# KiCad board M3DU_BoardV3_2.kicad_pcb (continued)
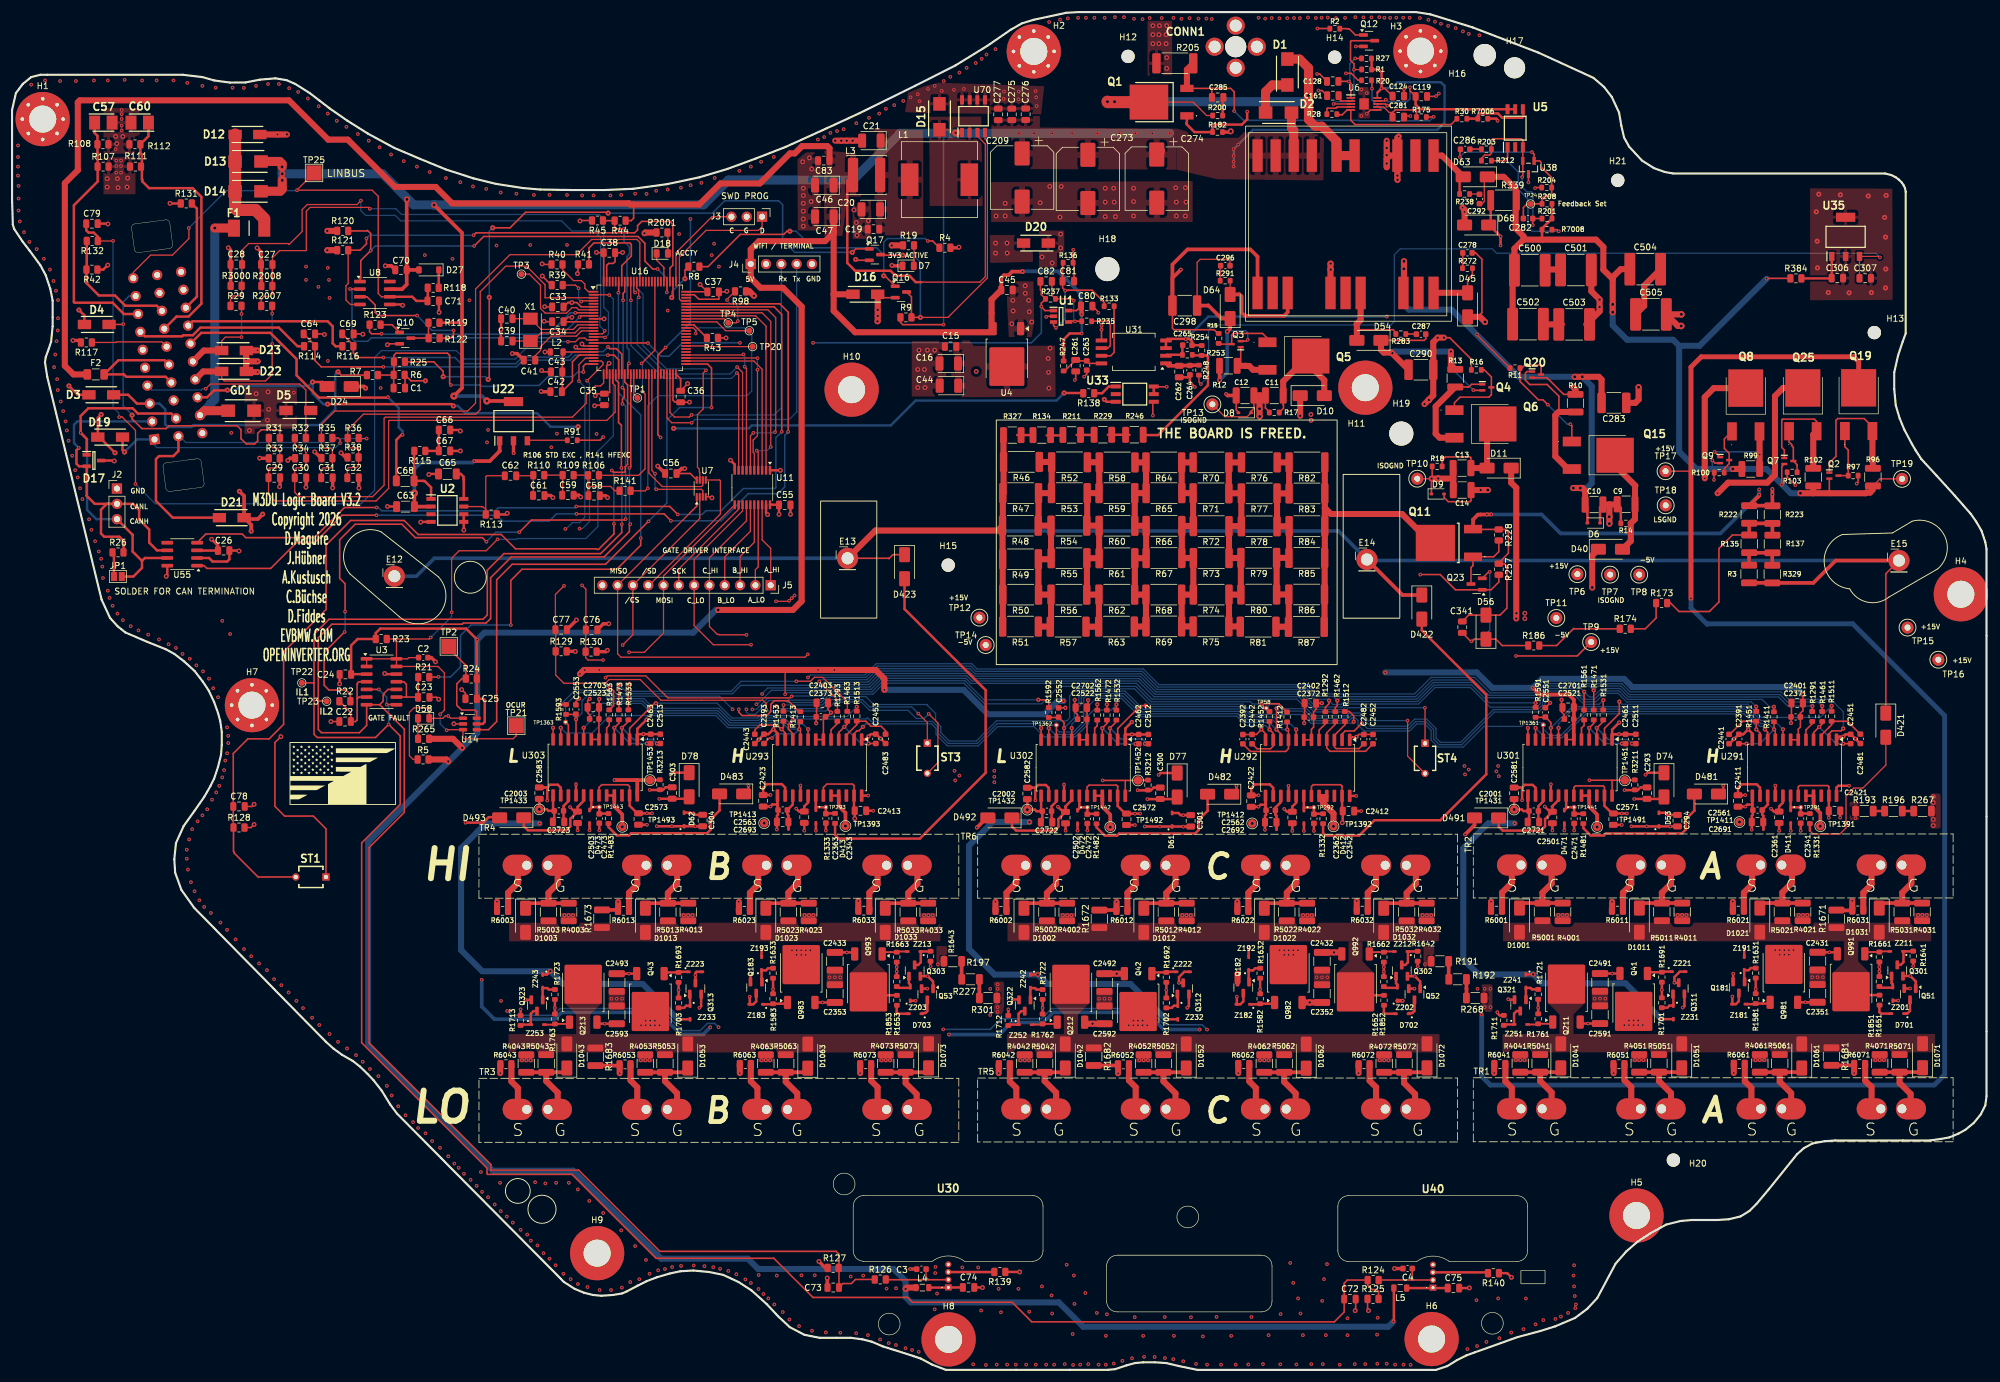
[diagram p0: board, top side]
## Routing (per net, layer and track width the routed paths; a pad name or vN(x,y) marks a point on that pad's centre or on a via; arc(x,y) is an arc through that point) (continued)
TMPM: length 151.9
  Top w0.2: v2(17.78,158.19) 17.8,158.21 18.25,158.21 20.48,155.98 v2(20.48,147.07) ; v2(92.23,170.7) 93.48,170.7 94.08,171.3 95.06,171.3 95.36,171 U16.17 ; v2(16.76,187.45) 16.73,187.42 R132.1
  Top w0.4: R132.1 14.22,188.13 13.56,188.8 12.71,188.8 12.31,189.2 12.31,190.3
  Bottom w0.2: v2(17.78,158.19) 17.71,158.26 17.71,158.85 16.78,159.77 16.78,160.17 16.76,160.2 v2(16.76,187.45) ; v2(20.48,147.07) 23.76,143.8 57.91,143.8 60.16,146.05 60.16,168.1 61.28,169.22 73.71,169.22 75.11,167.82 83.48,167.82 86.36,170.7 v2(92.23,170.7)
UDCIN: length 88.4
  Top w0.25: U16.18 105.48,170.5 v2(105.51,170.47) ; U1.1 171.38,175.87 170.78,176.47 v2(170.78,176.55) 170.78,177.11 R237.1 170.78,178.51 170.78,179.17 170.63,179.32 C82.1
  In1.Cu w0.25: v2(132.91,170.52) v2(120.76,170.52)
  Bottom w0.25: v2(132.91,170.52) 169.13,170.52 170.78,172.17 v2(170.78,176.55) ; v2(120.76,170.52) 111.23,170.52 109.01,168.3 107.68,168.3 v2(105.51,170.47)
USART_RX: length 49.7
  Top w0.2: U16.48 109.16,158.95 109.91,158.2 112.38,158.2 v2(112.73,158.55)
  Bottom w0.2: v2(112.73,158.55) 126.46,158.55 127.64,159.73 J4.3
USART_TX: length 54.5
  Top w0.2: v2(112.76,157.25) 109.46,157.25 108.66,158.05 U16.47
  Bottom w0.2: v2(112.76,157.25) 113.3,157.79 128.95,157.79 130.21,159.05 130.18,159.07 J4.4
UVLO_IN: length 7.9
  Top w0.2: R40.2 91.33,182.67 93.16,180.85 94.46,180.85 95.03,180.27 95.03,179.6 95.63,179 U16.1
Net-(C58-Pad1): length 11.2
  Top w0.2: R141.1 100.03,145.95 99.31,146.67 95.56,146.67 ; 95.56,146.67 95.56,145.21 ; 95.56,146.67 R106.1 ; R109.2 95.53,148.55
Net-(C59-Pad1): length 6.3
  Top w0.2: 91.36,145.3 R109.1 R110.2
Net-(C61-Pad1): length 6.1
  Top w0.2: C62.1 86.38,148.45 ; R110.1 86.48,145.21
Net-(C66-Pad1): length 5.7
  Top w0.4: C66.1 C67.1 R115.1
Net-(C278-Pad1): length 2.5
  Top w0.25: C278.1 240.71,182.95
Net-(C285-Pad1): length 2.9
  Top w0.4: R200.2 200.86,211.12
Net-(C286-Pad2): length 1.9
  Top w0.25: R203.1 241.91,202.67
Net-(C287-Pad1): length 1.7
  Top w0.25: R283.1 232.98,171.97
Net-(C292-Pad2): length 1.6
  Top w0.2: R238.2 243.43,195.22
Net-(C296-Pad1): length 2.4
  Top w0.2: R291.1 200.46,183.25
Net-(C500-Pad2): length 2.4
  Top w1: 254.88,182.7 257.33,182.7
Net-(C502-Pad2): length 2.1
  Top w1: 257.13,173.57 255.08,173.57
Net-(C504-Pad2): length 9.2
  Top w1: C504.2 270.8,180.01 270.8,176.66 C505.1
Net-(D1-A): length 78.5
  Top w0.2: Q1.2 195.98,210.47 198.21,208.25 R200.1
  Top w1.5: v5(215.11,211.57) 215.11,216.15 213.63,217.62 D1.2 ; 215.11,212.27 215.11,207.57 216.21,206.47 217.31,206.47 219.76,204.02 T1.5 T1.4
  Top w2: Q1.2 181.83,210.47 v5(181.76,210.55)
  Bottom w1: v5(215.11,211.57) 215.11,211.52 214.13,210.55 215.06,209.62 v5(215.13,209.62)
  Bottom w1.5: v5(181.76,210.55) 214.13,210.55
  vias: v5(182.93,210.55)
Net-(D1-K): length 7.5
  Top w1.5: D2.1 207.98,212.2 209.11,213.32 D1.1
Net-(D7-A): length 3.4
  Top w0.2: R19.2 149.66,183.33
Net-(D10-A): length 17.2
  Top w0.25: R17.1 210.96,159.65 210.96,160.15 210.91,160.2 C11.2
  Top w1: 215.48,166.57 217.73,164.32 D10.2 ; 215.11,168.32 210.91,164.12 C11.2
Net-(D11-A): length 16
  Top w0.25: R18.1 237.28,151.02 237.83,151.57 241.91,151.57 242.06,151.42 C13.2
  Top w1: C13.2 D11.2 244.73,155.27
Net-(D12-Pad1): length 19.4
  Top w0.6: 37.01,192.95 36.98,192.92 37.33,192.57 ; F1.2 41.85,191.11
  Top w2: 37.33,192.57 40.38,192.57 41.85,191.11 ; 37.01,192.95 D14.2 D13.2 D12.1
Net-(D18-A): length 3.4
  Top w0.2: D18.2 108.82,188.74
Net-(D27-K): length 3
  Top w0.4: R118.1 70.79,182.61
Net-(D40-A): length 16.2
  Top w1: 265.98,150.15 269.33,146.8 269.28,146.75 C9.2 269.28,141.25 R14.1 268.58,137.62 D40.2
Net-(D45-A): length 10
  Top w0.25: R272.2 242.31,181.85 241.83,181.37 241.83,181.2 241.51,180.87 D45.2
  Top w1: D45.2 235.88,178.82
Net-(D45-K): length 62.5
  Top w0.25: D45.1 243.21,174.82 243.43,175.05 243.43,175.07 243.88,175.52 243.88,184.4 242.83,185.45 C278.2 ; 252.23,164.72 254.68,164.72 257.44,161.96 R10.1
  Top w1: R10.1 259.41,162.75 v2(259.06,163.1) ; v5(244.41,173.97) 243.56,174.82 D45.1 ; v5(269.88,163.15) 269.88,161.1 269.33,160.55 C283.1
  In1.Cu w1: v5(269.88,163.15) 255.23,163.15 252.76,165.62 249.73,165.62 244.41,170.95 v5(244.41,173.97)
Net-(D54-A): length 14.8
  Top w0.25: 223.13,172.72 223.16,172.7 229.16,172.7 229.61,172.25
  Top w1: T1.15 223.76,174.3 223.11,173.65 223.13,173.62 D54.2
Net-(D54-K): length 38.4
  Top w0.25: D54.1 234.31,170.92 234.58,171.2 234.56,171.22 C287.2 ; Q4.2 242.51,162.62 v2(242.46,162.67)
  Top w1: D54.1 227.13,169.37 227.61,168.9 228.86,168.9 C290.1 ; R13.1 238.73,166.83 v1(238.73,169.07)
  Bottom w0.25: v1(238.73,169.07) 238.73,166.4 v2(242.46,162.67)
  Bottom w1: v1(238.73,169.07) 229.31,169.07 v1(229.03,168.8)
Net-(D58-A): length 3.4
  Top w0.2: D58.2 67.34,104.8
Net-(D63-A): length 8.6
  Top w0.4: R238.1 240.18,197.47
  Top w1: D63.2 237.26,201.6 T1.1
Net-(D64-A): length 18.3
  Top w0.2: R291.2 D64.2
  Top w0.6: D64.2 203.63,178.55 203.66,178.57 204.01,178.22 204.01,175.55 204.56,175 211.06,175 211.66,175.6 T1.12
Net-(D64-K): length 39.4
  Top w0.2: C296.2 202.08,184.1 201.81,184.37 197.13,184.37 196.63,183.87 C298.1
  Top w0.25: v2(205.03,171.02) 204.81,170.8 Q3.2
  Top w0.6: v1(200.36,164.32) 200.36,166.68 ; v1(201.63,172.4) 202.11,172.87 D64.1 200.66,174.55 198.48,176.72 198.46,176.7 C298.1
  Bottom w0.25: v1(201.63,172.4) 201.76,172.52 204.66,172.52 205.03,172.15 v2(205.03,171.02)
  Bottom w0.6: v1(201.63,172.4) 201.63,165.6 v1(200.36,164.32)
Net-(D411-K): length 6.6
  Top w0.4: R1331.1 296.83,92.37 ; 295.1,93 U291.18 ; C2341.1 TP291.1 295.1,93.4
Net-(D412-K): length 6.6
  Top w0.4: 214.33,93.37 TP292.1 C2342.1 ; 214.33,92.97 U292.18 ; R1332.1 216.05,92.34
Net-(D413-K): length 6.6
  Top w0.4: R1333.1 135.08,92.39 ; 133.35,93.42 TP293.1 C2343.1 ; 133.35,93.02 U293.18
Net-(D421-A): length 26.5
  Top w0.2: D421.2 310.9,100.41 307.09,96.6 305.56,96.6 304.29,95.33 304.29,89.99 303.28,88.98 298.83,88.98 298.3,89.51
  Top w0.4: R1331.2 298.3,89.51
Net-(D422-A): length 63.2
  Top w0.4: R1332.2 217.53,89.13 217.93,88.72 223.52,88.72 226.06,91.26 236.98,91.26 244.6,98.88 244.6,112.09 233.91,122.78 D422.2
Net-(D423-A): length 69.5
  Top w0.4: R1333.2 136.55,88.82 137.16,88.21 150.62,88.21 161.55,99.14 161.55,112.85 148.08,126.31 D423.2
Net-(D471-K): length 6.5
  Top w0.4: U301.18 257.86,93.42 ; 257.86,93.42 TP1441.1 C2471.1 ; 257.86,93.42 257.86,93.25 D471.1 ; R1481.1 259.23,92.34
Net-(D472-K): length 6.5
  Top w0.4: D472.1 177.09,93.23 177.09,93.4 ; C2472.1 TP1442.1 177.09,93.4 ; 177.09,93.4 U302.18 ; R1482.1 178.46,92.32
Net-(D473-K): length 6.5
  Top w0.4: R1483.1 97.49,92.36 ; C2473.1 TP1443.1 96.12,93.44 ; U303.18 96.12,93.44 ; 96.12,93.44 96.12,93.27 D473.1
Net-(D481-A): length 25.2
  Top w0.4: R1481.2 260.71,89.94 261.93,88.72 264.11,88.72 264.47,89.08 277.07,89.08 277.7,89.71 277.7,91.41 279.15,92.86 279.14,92.88 D481.2
Net-(D482-A): length 25.1
  Top w0.4: D482.2 198.36,92.85 198.38,92.84 196.93,91.39 196.93,89.69 196.29,89.05 183.69,89.05 183.34,88.7 181.31,88.7 179.94,90.07 R1482.2
Net-(D483-A): length 25.1
  Top w0.4: R1483.2 98.96,90.12 100.33,88.75 102.36,88.75 102.72,89.1 115.32,89.1 115.95,89.74 115.95,91.44 117.4,92.89 117.39,92.9 D483.2
Net-(D701-A): length 2.8
  Top w0.4: 309.83,60.21 309.83,59.41 310.08,59.16 D701.2
Net-(D701-K): length 2.9
  Top w0.4: D701.1 314.45,59.16 314.91,59.61 Q51.3
Net-(D702-A): length 2.8
  Top w0.4: 227.61,60.19 227.61,59.39 227.86,59.13 D702.2
Net-(D702-K): length 2.9
  Top w0.4: Q52.3 232.69,59.59 232.36,59.26 231.78,59.26
Net-(D703-A): length 2.8
  Top w0.4: D703.2 147.04,59.13 146.79,59.39 146.79,60.19
Net-(D703-K): length 2.9
  Top w0.4: Q53.3 151.87,59.59 151.54,59.26 150.96,59.26
Net-(D1001-A): length 4.1
  Top w0.4: 309.84,62.23 305.7,62.23
Net-(D1001-K): length 15
  Top w0.6: R4001.2 R5001.2 250.75,77.51 250.12,76.88 ; 253.87,83.81 255.45,82.23
  Top w1: 255.45,82.23 255.45,80.75 253.93,79.22 R5001.2
Net-(D1002-A): length 4.1
  Top w0.4: 227.62,62.2 223.48,62.2
Net-(D1002-K): length 15
  Top w0.6: 167.9,76.85 168.53,77.48 R5002.2 R4002.2 ; TR6.2 173.23,82.2
  Top w1: 173.23,82.2 173.23,80.72 171.71,79.2 R5002.2
Net-(D1003-A): length 4.1
  Top w0.4: 146.8,62.2 142.66,62.2
Net-(D1003-K): length 15
  Top w0.6: 85.19,76.85 85.82,77.48 R5003.2 R4003.2 ; 88.95,83.78 90.53,82.2
  Top w1: 90.53,82.2 90.53,80.72 89,79.2 R5003.2
Net-(D1011-K): length 15
  Top w0.6: 273.68,83.81 275.26,82.23 ; R4011.2 R5011.2 270.63,77.51 270,76.88
  Top w1: R5011.2 273.74,79.22 275.26,80.75 275.26,82.23
Net-(D1012-K): length 15
  Top w0.6: 187.78,76.85 188.41,77.48 R5012.2 R4012.2 ; TR6.4 193.04,82.2
  Top w1: 193.04,82.2 193.04,80.72 191.52,79.2 R5012.2
Net-(D1013-K): length 15
  Top w0.6: 108.76,83.78 110.34,82.2 ; R4013.2 R5013.2 105.71,77.48 105.08,76.85
  Top w1: 110.34,82.2 110.34,80.72 108.82,79.2 R5013.2
Net-(D1021-K): length 15
  Top w0.6: 289.99,76.88 290.62,77.51 R5021.2 R4021.2 ; 293.62,83.81 295.33,82.1
  Top w1: R5021.2 293.73,79.27 295.33,80.87 295.33,82.1
Net-(D1022-K): length 15
  Top w0.6: R4022.2 R5022.2 208.4,77.48 207.77,76.85 ; TR6.6 213.11,82.07
  Top w1: 213.11,82.07 213.11,80.85 211.51,79.25 R5022.2
Net-(D1023-K): length 15
  Top w0.6: 125.07,76.85 125.7,77.48 R5023.2 R4023.2 ; 128.7,83.78 130.41,82.07
  Top w1: R5023.2 128.8,79.25 130.41,80.85 130.41,82.07
Net-(D1031-K): length 15
  Top w0.6: R4031.2 R5031.2 310.44,77.51 309.81,76.88 ; 313.56,83.81 315.14,82.23
  Top w1: 315.14,82.23 315.14,80.75 313.62,79.22 R5031.2
Net-(D1032-K): length 15
  Top w0.6: R4032.2 R5032.2 228.22,77.48 227.59,76.85 ; TR6.8 232.92,82.2
  Top w1: 232.92,82.2 232.92,80.72 231.4,79.2 R5032.2
Net-(D1033-K): length 15
  Top w0.6: 144.88,76.85 145.51,77.48 R5033.2 R4033.2 ; 148.64,83.78 150.22,82.2
  Top w1: 150.22,82.2 150.22,80.72 148.69,79.2 R5033.2
Net-(D1041-K): length 13.7
  Top w0.6: 253.87,43.33 255.45,44.91 ; R4041.2 R5041.2 256.4,49.44
  Top w1: R5041.2 253.54,47.98 255.45,46.08 255.45,44.91
Net-(D1042-K): length 13.7
  Top w0.6: 174.18,49.41 R5042.2 R4042.2 ; 171.65,43.31 173.23,44.89
  Top w1: 173.23,44.89 173.23,46.05 171.32,47.96 R5042.2
Net-(D1043-K): length 13.7
  Top w0.6: R4043.2 R5043.2 91.48,49.41 ; 88.95,43.31 90.53,44.89
  Top w1: 90.53,44.89 90.53,46.05 88.62,47.96 R5043.2
Net-(D1051-K): length 14.1
  Top w0.6: R4051.2 R5051.2 276.47,49.44 ; 273.68,43.33 275.26,44.91
  Top w1: 275.26,44.91 275.26,45.95 273.25,47.96 R5051.2
Net-(D1052-K): length 14.1
  Top w0.6: 194.25,49.41 R5052.2 R4052.2 ; 191.46,43.31 193.04,44.89
  Top w1: R5052.2 191.03,47.93 193.04,45.92 193.04,44.89
Net-(D1053-K): length 14.1
  Top w0.6: R4053.2 R5053.2 111.54,49.41 ; 108.76,43.31 110.34,44.89
  Top w1: 110.34,44.89 110.34,45.92 108.33,47.93 R5053.2
Net-(D1061-K): length 14
  Top w0.6: 293.62,43.33 295.2,44.91 ; R4061.2 R5061.2 296.4,49.44
  Top w1: R5061.2 293.3,47.85 295.2,45.95 295.2,44.91
Net-(D1062-K): length 14
  Top w0.6: 214.18,49.41 R5062.2 R4062.2 ; 211.4,43.31 212.98,44.89
  Top w1: 212.98,44.89 212.98,45.92 211.08,47.83 R5062.2
Net-(D1063-K): length 14
  Top w0.6: R4063.2 R5063.2 131.48,49.41 ; 128.7,43.31 130.28,44.89
  Top w1: R5063.2 128.37,47.83 130.28,45.92 130.28,44.89
Net-(D1071-K): length 11.9
  Top w0.6: 316.39,49.44 R5071.2 R4071.2
  Top w1: 315.01,44.79 315.01,45.82 313.18,47.65 R5071.2
Net-(D1072-K): length 14
  Top w0.6: 232.79,44.76 231.34,43.31 ; 234.17,49.41 R5072.2 R4072.2
  Top w1: R5072.2 230.96,47.62 232.79,45.8 232.79,44.76
Net-(D1073-K): length 14
  Top w0.6: 150.09,44.76 148.64,43.31 ; R4073.2 R5073.2 151.47,49.41
  Top w1: 150.09,44.76 150.09,45.8 148.26,47.62 R5073.2
Net-(J1-Pin_14): length 23.7
  Top w0.4: J1.15 25.31,167.63 17.64,167.63 F2.1 18.55,165.27 18.95,164.87 25.49,164.87 J1.14
Net-(JP1-A): length 3.8
  Top w0.4: JP1.1 16.91,135.48
Net-(Q1-G): length 38.4
  Top w0.25: 223.91,214.1 223.36,214.1 222.21,215.25 v2(221.31,215.25)
  Top w0.4: Q1.1 194.93,207.1 194.88,207.05 194.88,206.8 196.18,205.5 R182.1 199.18,206.4 199.53,206.75 204.06,206.75 204.93,207.62 v2(204.93,208.9)
  In2.Cu w0.4: v2(221.31,215.25) 217.73,215.25 215.25,212.77 206.06,212.77 204.93,211.65 v2(204.93,208.9)
Net-(Q1-S): length 52.7
  Top w0.25: R175.2 235.83,208 v2(235.88,208.05) ; 199.11,212.75 Q1.3 ; 199.11,212.75 202.2,212.75 202.78,212.17 v2(202.78,209) ; 199.11,212.75 199.08,212.73 C285.2
  Top w1: Q1.3 194.93,215.87 R205.1
  Bottom w0.25: v2(235.88,208.05) 235.21,207.37 223.51,207.37 223.43,207.45 204.33,207.45 v2(202.78,209)
Net-(Q3-B): length 8.6
  Top w0.25: Q3.1 203.86,167.28 R12.2
  Top w1: R12.2 204.66,166.7 204.68,166.67 205.28,166.67 205.92,166.04 Q5.3
Net-(Q3-C): length 9.9
  Top w0.25: 208.3,171.25 207.48,172.07 202.63,172.07 202.36,171.8 Q3.3 200.33,170.3
Net-(Q4-B): length 17.2
  Top w0.25: R13.2 241.42,163.18 241.46,163.15 241.68,163.15 242.16,163.62 Q4.1
  Top w1: R13.2 236.21,159.93 236.21,155.42 236.87,154.76 239.32,154.76
Net-(Q4-C): length 13
  Top w0.25: 239.32,159.33 239.32,160.56 240.26,161.5 245.06,161.5 245.46,161.9 Q4.3 245.46,164.85 244.28,166.02 R16.1
Net-(Q8-B): length 8
  Top w0.25: Q8.1 284.11,154.55 284.11,152.97 284.91,152.17 Q9.3 284.91,150.45 284.08,149.62 R100.1
Net-(Q8-E): length 15.1
  Top w0.25: 283.38,151.55 v2(282.51,152.42)
  Top w1: R99.2 289.94,155.81
  Bottom w0.25: v2(282.51,152.42) 289.53,152.42 v2(289.98,151.97)
Net-(Q10-B): length 3.7
  Top w0.25: R123.2 63.02,173.52 Q10.1
Net-(Q10-C): length 5.5
  Top w0.25: R119.2 69.09,171.32 ; R122.1 Q10.3
Net-(Q11-C): length 47.2
  Top w1: 235.43,137.3 230.63,142.1 218.83,142.1 217.82,143.11 ; R86.1 217.77,123.41 ; R85.1 217.79,128.76 ; 217.82,143.11 R83.1 R82.1 ; 217.82,143.11 R84.1 217.82,134.84
Net-(Q11-G): length 11.2
  Top w0.25: R228.2 246.68,135.85 245.83,135 Q11.1 242.41,133.55 242.07,133.21 Q23.3
Net-(Q12-B): length 4.3
  Top w0.25: 220.31,222.67 221.61,222.67 221.63,222.65 221.86,222.65 222.88,221.62 Q12.1
Net-(Q12-C): length 21.5
  Top w0.2: U6.3 v2(219.28,210.17) ; v2(222.66,215.87) 223.91,215.87
  Top w0.25: v2(222.66,215.87) 222.66,216.85 222.08,217.42 222.08,220.52 222.23,220.67 Q12.3
  Bottom w0.2: v2(222.66,215.87) 222.66,211.2 222.01,210.55 219.66,210.55 v2(219.28,210.17)
Net-(Q15-B): length 21.4
  Top w0.25: v2(258.56,157) 258.8,156.75 Q15.1 ; Q20.3 253.71,166.55 253.76,166.6 253.53,166.82 251.01,166.82 250.48,166.3 ; R11.1 250.21,164.1 253.26,161.05 254.01,161.05 v2(254.81,160.25)
  Bottom w0.25: v2(258.56,157) 258.06,157 v2(254.81,160.25)
Net-(Q15-E): length 25.2
  Top w0.25: Q20.1 251.38,165.75 251.11,165.47 251.11,164.3 251.81,163.6 254.71,163.6 256.66,161.65 256.66,159.51 257.13,159.03
  Top w1: 258.17,149.56 256.06,151.67 256.06,158.5 256.59,159.03 R10.2
Net-(Q16-B): length 53
  Top w0.25: R8.1 115.48,183.16 120.83,188.51 128.03,188.51 128.55,189.04 v4(129.05,189.04) ; R4.1 152.74,187.42 v2(151.93,187.42) ; v4(144.63,181.64) 144.82,181.64 Q16.1
  Bottom w0.25: 144.63,185.11 v4(144.63,181.64) ; 144.63,185.11 144.63,187.22 145.23,187.82 151.53,187.82 v2(151.93,187.42) ; 144.63,185.11 143.45,186.29 132.85,186.29 130.1,189.04 v4(129.05,189.04)
Net-(Q16-C): length 60.5
  Top w0.2: v4(150.7,174.74) 155.28,174.74 161.83,181.29 161.83,203.99 161.43,204.38 U70.4
  Top w0.25: 144.2,185.06 v4(147.8,185.06) ; 150.85,174.74 R9.2 149.23,178.15 Q16.3
  Bottom w0.25: v4(147.8,185.06) 149.55,185.06 150.7,183.91 v4(150.7,174.74)
Net-(Q17-B): length 112.8
  Top w0.25: v4(139.41,185.54) 139.98,186.11 Q17.1 ; v4(79.75,189.61) 82.63,189.61 85.2,192.19 98.9,192.19 v4(98.9,192.05) ; v4(79.18,178.06) 79.18,164.61 v4(79,164.44) ; v4(71.53,164.89) 71.53,165.79 69.95,167.36 R25.1
  Bottom w0.25: v4(79.18,178.06) 79.18,189.04 v4(79.75,189.61) ; v4(139.41,185.54) 129.88,185.54 127.85,187.56 127.85,193.44 127.2,194.09 118.23,194.09 116.19,192.05 v4(98.9,192.05) ; v4(71.53,164.89) 78.55,164.89 v4(79,164.44)
Net-(Q19-B): length 9.3
  Top w0.25: Q2.3 304.66,148.47 304.66,152.72 304.11,153.27 304.11,155.87
Net-(Q19-E): length 22.1
  Top w0.25: 308.68,156.58 307.31,157.95 302.93,157.95 302.63,157.65 302.63,151.67 301.53,150.57 Q2.1
  Top w1: R96.2 308.76,151.06 308.68,151.14 Q19.3
Net-(Q23-G): length 85.3
  Top w0.25: v2(233.66,132.05) 236.96,132.05 239.48,129.52 Q23.1 245.41,129.52 246.68,130.8 R257.2 ; v2(189.28,158.45) 189.28,160.58
  In2.Cu w0.25: v2(233.66,132.05) 231.18,132.05 229.16,134.07 229.16,147.32 226.86,149.62 190.81,149.62 189.28,151.15 v2(189.28,158.45)
Net-(Q25-B): length 7.4
  Top w0.25: R103.1 296.18,150.25 296.11,150.32 296.11,150.35 Q7.3 295.56,153.17 295.28,153.45 295.28,153.62 294.85,154.06 Q25.1
Net-(Q25-E): length 20.5
  Top w0.25: Q25.3 299.42,157.46 299.03,157.85 293.78,157.85 293.63,157.7 293.63,153.15 294.06,152.72 Q7.1
  Top w1: R102.2 298.86,155.28 Q25.3
Net-(Q41-D):
  vias: v3(249.53,51.46) v3(250.24,51.46) v3(250.95,51.46) v3(267.51,57.25) v3(268.28,58.01) v3(268.28,57.25) v3(269.04,58.01) v3(269.04,57.25) v3(269.27,51.46) v3(269.8,58.01) v3(269.8,57.25) v3(269.98,51.46) v3(270.56,57.25) v3(270.69,51.46) v3(289.28,51.46) v3(289.99,51.46) v3(290.7,51.46) v3(309.17,51.46) v3(309.88,51.46) v3(310.59,51.46)
Net-(Q41-G): length 3.7
  Top w0.4: Z221.1 273.83,66.12 ; R1691.1 271.55,66.03
Net-(Q42-D):
  vias: v3(167.31,51.44) v3(168.02,51.44) v3(168.73,51.44) v3(185.29,57.23) v3(186.06,57.99) v3(186.06,57.23) v3(186.82,57.99) v3(186.82,57.23) v3(187.05,51.44) v3(187.58,57.99) v3(187.58,57.23) v3(187.76,51.44) v3(188.34,57.23) v3(188.47,51.44) v3(207.06,51.44) v3(207.77,51.44) v3(208.48,51.44) v3(226.95,51.44) v3(227.66,51.44) v3(228.37,51.44)
Net-(Q42-G): length 3.7
  Top w0.4: Z222.1 191.61,66.09 ; R1692.1 189.33,66
Net-(Q43-D):
  vias: v3(84.61,51.44) v3(85.32,51.44) v3(86.03,51.44) v3(104.34,51.44) v3(104.37,57.23) v3(105.13,57.99) v3(105.13,57.23) v3(105.06,51.44) v3(105.77,51.44) v3(105.89,57.99) v3(105.89,57.23) v3(106.66,57.99) v3(106.66,57.23) v3(107.42,57.23) v3(124.36,51.44) v3(125.07,51.44) v3(125.78,51.44) v3(144.25,51.44) v3(144.96,51.44) v3(145.67,51.44)
Net-(Q43-G): length 3.7
  Top w0.4: Z223.1 110.68,66.09 ; R1693.1 108.4,66
Net-(Q51-S): length 41.1
  Top w0.4: v2(314.91,63.32) 313.96,63.32
  In2.Cu w0.4: v2(314.91,63.32) 316.08,63.32 316.76,64.01 316.76,73.36 315.39,74.73 315.39,76.2 318.26,79.06 318.26,85.17 311.84,91.59 v2(305.87,91.59)
Net-(Q52-S): length 5.7
  Top w0.4: v2(232.69,63.3) 231.74,63.3
  In2.Cu w0.4: v2(234.44,67.36) 234.44,65.05 v2(232.69,63.3)
Net-(Q53-S): length 5.7
  Top w0.4: v2(151.87,63.3) 150.92,63.3
  In2.Cu w0.4: v2(153.62,67.36) 153.62,65.05 v2(151.87,63.3)
Net-(Q181-D): length 36.8
  Top w0.4: R1641.1 v2(315.44,67.06) ; Q181.3 286.51,61.21 286.03,60.73 Z181.2 v2(285.44,61.99)
  In2.Cu w0.4: v2(315.44,67.06) 313.87,67.06 308.81,61.99 v2(285.44,61.99)
Net-(Q181-G): length 3.9
  Top w0.4: R1631.2 288.48,66.71 288.13,66.36 Z191.1 287.4,64.5
Net-(Q182-D): length 36.8
  Top w0.4: R1642.1 v2(233.22,67.03) ; Q182.3 204.29,61.19 203.81,60.71 Z182.2 v2(203.22,61.97)
  In2.Cu w0.4: v2(203.22,61.97) 203.24,61.95 227,61.95 232.08,67.03 v2(233.22,67.03)
Net-(Q182-G): length 3.9
  Top w0.4: R1632.2 206.26,66.69 205.91,66.34 Z192.1 205.18,64.47
Net-(Q183-D): length 36.8
  Top w0.4: v2(122.4,61.97) Z183.2 122.99,60.71 123.47,61.19 Q183.3 ; R1643.1 v2(152.4,67.03)
  In2.Cu w0.4: v2(152.4,67.03) 150.85,67.03 145.79,61.97 v2(122.4,61.97)
Net-(Q183-G): length 3.9
  Top w0.4: 124.36,64.47 Z193.1 125.09,66.34 125.44,66.69 R1633.2
Net-(Q211-G): length 3.8
  Top w0.3: Z251.2 253.1,57.35 ; R1761.2 255.34,57.47
Net-(Q212-G): length 3.8
  Top w0.3: Z252.2 170.88,57.33 ; R1762.2 173.12,57.44
Net-(Q213-G): length 3.8
  Top w0.3: R1763.2 92.2,57.44 ; Z253.2 89.96,57.33
Net-(Q301-D): length 4.6
  Top w0.4: Q301.3 313.38,67.26 313.83,67.7 Z211.1 315.41,69.49
Net-(Q301-G): length 4.3
  Top w0.4: Q301.1 311.85,64.22 312.07,64.01 312.07,63.46 310.04,63.46 R1651.1
Net-(Q302-D): length 4.6
  Top w0.4: 233.19,69.47 Z212.1 231.61,67.67 231.16,67.23 Q302.3
Net-(Q302-G): length 4.3
  Top w0.4: R1652.1 227.82,63.43 229.85,63.43 229.85,63.98 229.63,64.2 Q302.1
Net-(Q303-D): length 4.6
  Top w0.4: Q303.3 150.34,67.23 150.78,67.67 Z213.1 152.36,69.47
Net-(Q303-G): length 4.3
  Top w0.4: R1853.1 147,63.43 149.02,63.43 149.02,63.98 148.81,64.2 Q303.1
Net-(Q311-D): length 36.6
  Top w0.4: v2(246.43,59.39) 246.43,59.26 246.83,58.86 R1711.1 ; Q311.3 275.82,64.29 v2(275.82,64.29) 275.82,65.23 276.71,66.12 Z221.2
  In2.Cu w1: v2(275.82,64.29) 273.07,64.29 272.35,63.58 253.47,63.58 249.28,59.39 v2(246.43,59.39)
Net-(Q311-G): length 3.9
  Top w0.4: 275.64,62.35 Z231.1 274.99,60.48 274.64,60.13 273.74,60.13
Net-(Q312-D): length 34.9
  Top w0.4: Z222.2 194.49,66.09 193.62,65.22 v2(193.62,64.26) Q312.3 ; v2(165.3,59.87) 165.3,58.85
  In2.Cu w1: v2(193.62,64.26) 193.6,64.24 190.17,64.24 189.23,63.3 171.02,63.3 167.59,59.87 v2(165.3,59.87)
Net-(Q312-G): length 3.9
  Top w0.4: R1702.2 192.42,60.11 192.77,60.46 Z232.1 193.42,62.32
Net-(Q313-D): length 35.2
  Top w0.4: Z223.2 113.56,66.09 113.39,65.91 v2(113.39,65.53) Q313.3 ; v2(84.38,59.87) 84.38,58.85
  In2.Cu w1: v2(113.39,65.53) 109.63,65.53 107.47,63.37 90.07,63.37 86.56,59.87 v2(84.38,59.87)
Net-(Q313-G): length 3.9
  Top w0.4: 112.5,62.32 Z233.1 111.85,60.46 111.5,60.11 R1703.2
Net-(Q321-D): length 4.6
  Top w0.4: Q321.3 249.66,59.59 249.22,59.15 Z251.1 247.65,57.35
Net-(Q321-G): length 4.1
  Top w0.4: 251.18,61.48 Z241.2 251.95,63.42 252.19,63.18 R1721.1
Net-(Q322-D): length 4.6
  Top w0.4: Q322.3 167.44,59.57 167,59.12 Z252.1 165.43,57.33
Net-(Q322-G): length 4.1
  Top w0.4: 168.96,61.45 Z242.2 169.73,63.39 169.97,63.16 R1722.1
Net-(Q323-D): length 4.6
  Top w0.4: 84.51,57.33 Z253.1 86.07,59.12 86.52,59.57 Q323.3
Net-(Q323-G): length 4.1
  Top w0.4: R1723.1 89.04,63.16 88.81,63.39 Z243.2 88.04,61.45
Net-(Q981-D):
  vias: v3(256.57,75.51) v3(257.28,75.51) v3(257.99,75.51) v3(276.38,75.51) v3(277.09,75.51) v3(277.8,75.51) v3(292.53,69.7) v3(293.3,69.7) v3(293.3,68.94) v3(294.06,69.7) v3(294.06,68.94) v3(294.82,69.7) v3(294.82,68.94) v3(295.58,69.7) v3(296.44,75.51) v3(297.16,75.51) v3(297.87,75.51) v3(316.26,75.51) v3(316.97,75.51) v3(317.68,75.51)
Net-(Q981-G): length 3.7
  Top w0.4: R1581.1 290.49,60.82 290.5,60.83 290.51,60.82 291.5,60.82 ; Z181.1 289.22,60.73
Net-(Q982-D):
  vias: v3(174.35,75.49) v3(175.06,75.49) v3(175.77,75.49) v3(194.16,75.49) v3(194.87,75.49) v3(195.58,75.49) v3(210.31,69.67) v3(211.08,69.67) v3(211.08,68.91) v3(211.84,69.67) v3(211.84,68.91) v3(212.6,69.67) v3(212.6,68.91) v3(213.36,69.67) v3(214.23,75.49) v3(214.94,75.49) v3(215.65,75.49) v3(234.04,75.49) v3(234.75,75.49) v3(235.46,75.49)
Net-(Q982-G): length 3.7
  Top w0.4: 209.28,60.8 208.29,60.8 208.28,60.81 208.27,60.8 R1582.1 ; Z182.1 207,60.71
Net-(Q983-D):
  vias: v3(91.64,75.49) v3(92.36,75.49) v3(93.07,75.49) v3(111.46,75.49) v3(112.17,75.49) v3(112.88,75.49) v3(129.41,69.67) v3(130.18,69.67) v3(130.18,68.91) v3(130.94,69.67) v3(130.94,68.91) v3(131.52,75.49) v3(131.7,69.67) v3(131.7,68.91) v3(132.23,75.49) v3(132.46,69.67) v3(132.95,75.49) v3(151.33,75.49) v3(152.05,75.49) v3(152.76,75.49)
Net-(Q983-G): length 3.7
  Top w0.4: 128.45,60.8 127.47,60.8 127.46,60.81 127.45,60.8 R1583.1 ; Z183.1 126.18,60.71
Net-(Q991-G): length 3.8
  Top w0.3: R1661.2 308.88,69.38 308.87,69.39 308.85,69.38 307.7,69.38 ; Z211.2 309.95,69.49
Net-(Q992-G): length 3.8
  Top w0.3: Z212.2 227.73,69.47 ; 225.48,69.35 226.63,69.35 226.65,69.37 226.66,69.35 R1662.2
Net-(Q993-G): length 3.8
  Top w0.3: 144.66,69.35 145.81,69.35 145.82,69.37 145.84,69.35 R1663.2 ; Z213.2 146.9,69.47
Net-(R24-Pad1): length 16.5
  Top w0.25: 72.48,119.77 75.29,116.96 R24.1 74.66,114.77 73.78,113.9 73.78,110.35 74.08,110.05 74.11,110.05 74.61,109.55 76.88,109.55 77.13,109.3 77.09,109.26 U14.6
Net-(R46-Pad1): length 39.5
  Top w1: R48.1 R54.2 172.39,134.79 ; 170.29,128.74 R49.1 172.24,134.59 R55.2 ; R46.1 172.44,150.74 ; R57.2 172.39,123.51 R56.2 R50.1 ; 170.32,140.21 R47.1 R53.2 ; R51.1 172.24,123.41 ; R52.2 172.49,145.59
Net-(R52-Pad1): length 39.1
  Top w1: R59.2 R53.1 178.39,140.24 ; R52.1 180.37,150.69 ; R57.1 180.27,123.39 ; R58.2 180.39,145.6 ; 178.34,128.74 R55.1 R61.2 R60.2 ; R54.1 180.34,140.16 ; R56.1 R62.2 180.34,123.46
Net-(R58-Pad1): length 38.3
  Top w1: R69.2 R68.2 R62.1 ; 186.28,140.15 R59.1 R65.2 ; R58.1 R64.2 188.14,145.59 ; R66.2 R67.2 ; R63.1 188.12,123.41 ; 188.14,134.76 R61.1 186.29,128.74 ; R60.1 188.14,140.14
Net-(R64-Pad1): length 38.5
  Top w1: R71.2 195.97,140.11 R66.1 R67.1 R73.2 196,128.72 ; R70.2 R64.1 194.07,145.59 ; R75.2 R69.1 R68.1 R74.2 ; R65.1 195.94,145.56
Net-(R70-Pad1): length 39.1
  Top w1: 201.92,123.46 R74.1 203.87,128.71 ; R75.1 203.74,123.44 ; 201.92,134.8 R72.1 203.94,140.09 ; R73.1 203.87,134.79 ; R77.2 R78.2 ; R79.2 R80.2 ; 203.94,145.54 R71.1 R70.1 R76.2
Net-(R76-Pad1): length 39.3
  Top w1: 211.87,140.06 R78.1 R77.1 R83.2 R82.2 R76.1 ; R81.1 211.77,123.39 ; R85.2 R79.1 R80.1 R86.2 211.84,123.41 ; R84.2 211.89,134.84